# Altium PCB Copy of Board_EP1C6T144I8N.PcbDoc (part 2 of 3) (continued)
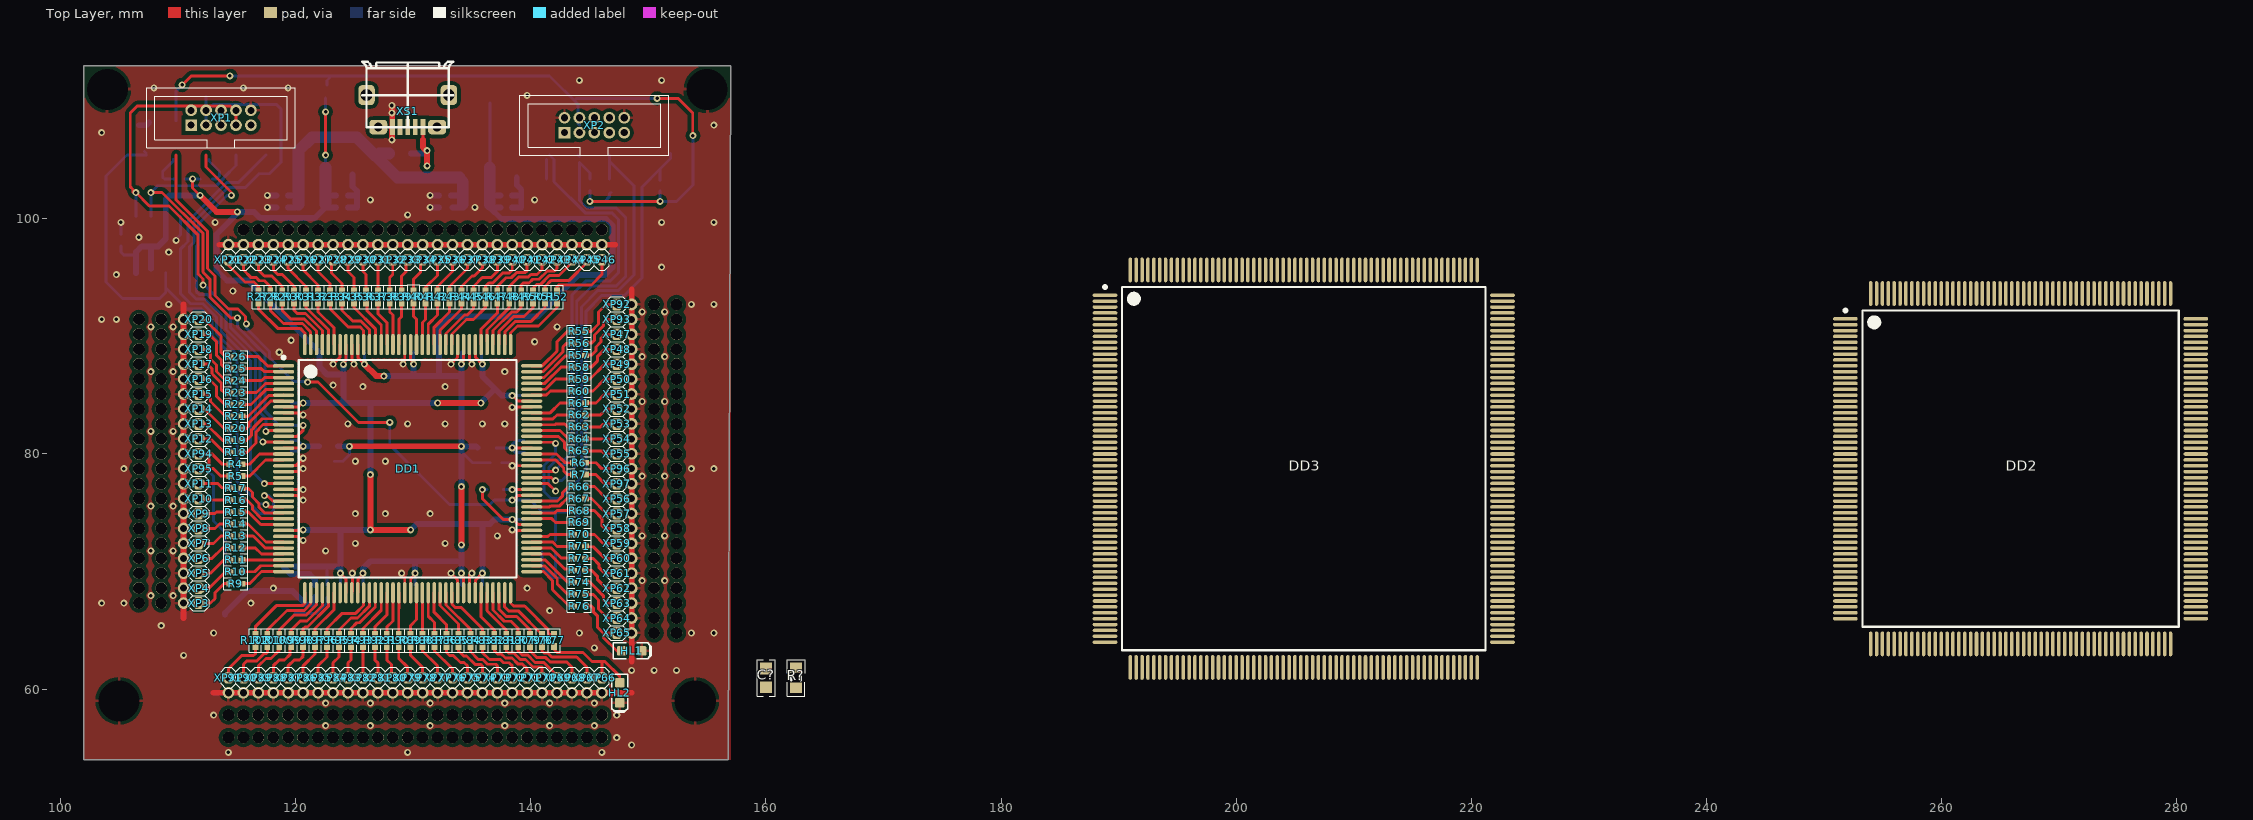
[diagram p0: Top Layer view]
## Nets (pads, with @x,y where several pads share a name; then routed paths per layer and width w, separated by ;. In a path a pad name is that pad's centre, name@x,y a point inside that pad or via, vN(x,y) a via of type N, cw(c..) or ccw(c..) an arc to the next point about the centre after c; other vN are vias at no path point) (continued)
NetDD1_70: DD1.70 R79.1 | length 5.2
  Top Layer w0.25: DD1.70@137.29,68.19 137.3,68.18 137.3,66.789 137.922,66.167 138.811,66.167 139.954,65.024 R79.1@139.954,64.635
NetDD1_71: DD1.71 R78.1 | length 5.4
  Top Layer w0.25: DD1.71@137.79,68.19 137.79,66.99 138.124,66.656 138.949,66.656 R78.1@140.97,64.635
NetDD1_72: DD1.72 R77.1 | length 5.8
  Top Layer w0.25: DD1.72@138.29,68.19 138.29,67.323 138.557,67.056 139.488,67.056 141.495,65.049 141.495,64.753 141.613,64.635 R77.1@141.986,64.635
NetDD1_73: DD1.73 R76.1 | length 5.2
  Top Layer w0.25: DD1.73@140.09,69.99 141.084,69.99 141.859,69.215 141.859,68.453 143.256,67.056 R76.1@143.645,67.056
NetDD1_74: DD1.74 R75.1 | length 4.8
  Top Layer w0.25: DD1.74@140.09,70.49 140.1,70.48 141.171,70.48 142.259,69.392 142.259,68.942 143.129,68.072 R75.1@143.645,68.072
NetDD1_75: DD1.75 R74.1 | length 4.3
  Top Layer w0.25: DD1.75@140.09,70.99 141.227,70.99 143.129,69.088 R74.1@143.645,69.088
NetDD1_76: DD1.76 R73.1 | length 4.1
  Top Layer w0.25: DD1.76@140.09,71.49 141.616,71.49 142.877,70.229 143.52,70.229 R73.1@143.645,70.104
NetDD1_77: DD1.77 R72.1 | length 3.9
  Top Layer w0.25: DD1.77@140.09,71.99 141.751,71.99 142.589,71.152 143.613,71.152 R72.1@143.645,71.12
NetDD1_78: DD1.78 R71.1 | length 3.7
  Top Layer w0.25: DD1.78@140.09,72.49 141.886,72.49 142.24,72.136 R71.1@143.645,72.136
NetDD1_79: DD1.79 R70.1 | length 3.6
  Top Layer w0.25: DD1.79@140.09,72.99 141.478,72.99 141.64,73.152 R70.1@143.645,73.152
NetDD1_82: DD1.82 R69.1 | length 3.7
  Top Layer w0.25: DD1.82@140.09,74.49 141.791,74.49 142.113,74.168 R69.1@143.645,74.168
NetDD1_83: DD1.83 R68.1 | length 3.6
  Top Layer w0.25: DD1.83@140.09,74.99 142.046,74.99 142.24,75.184 R68.1@143.653,75.184
NetDD1_84: DD1.84 R67.1 | length 3.8
  Top Layer w0.25: DD1.84@140.09,75.49 141.614,75.49 141.708,75.584 142.469,75.584 143.085,76.2 R67.1@143.645,76.2
NetDD1_85: DD1.85 R66.1 | length 4.2
  Top Layer w0.25: DD1.85@140.09,75.99 142.284,75.99 142.688,76.394 142.688,76.676 143.196,77.184 143.613,77.184 R66.1@143.645,77.216
NetDD1_87: DD1.87 R53.1 | length 2.5
  Top Layer w0.25: v1(138.43,76.962) 138.448,76.98 140.08,76.98 DD1.87@140.09,76.99
  Bottom Layer w0.25: R53.1@137.668,76.962 138.303,76.962 v1@138.43,77.089
NetDD1_92: DD1.92 R7.2 | length 5.3
  Top Layer w0.25: 141.127,79.48 140.1,79.48 DD1.92@140.09,79.49 142.125,79.49 142.811,78.804 142.811,78.55 143.129,78.232 R7.2@143.645,78.232
NetDD1_93: DD1.93 R6.2 | length 5
  Top Layer w0.25: 141.254,79.98 140.1,79.98 DD1.93@140.09,79.99 141.254,79.99 142.191,79.99 142.933,79.248 R6.2@143.645,79.248
NetDD1_96: DD1.96 R65.1 | length 4.3
  Top Layer w0.25: DD1.96@140.09,81.49 142.369,81.49 142.875,80.984 142.875,80.518 143.097,80.296 143.613,80.296 R65.1@143.645,80.264
NetDD1_97: DD1.97 R64.1 | length 3.8
  Top Layer w0.25: DD1.97@140.09,81.99 142.502,81.99 143.212,81.28 R64.1@143.645,81.28
NetDD1_98: DD1.98 R63.1 | length 3.7
  Top Layer w0.25: DD1.98@140.09,82.49 140.1,82.48 142.056,82.48 142.125,82.55 142.891,82.55 143.145,82.296 R63.1@143.645,82.296
NetDD1_99: DD1.99 R62.1 | length 3.7
  Top Layer w0.25: DD1.99@140.09,82.99 140.1,82.98 141.908,82.98 142.24,83.312 R62.1@143.645,83.312
NetDD1_100: DD1.100 R61.1 | length 3.9
  Top Layer w0.25: DD1.100@140.09,83.49 141.656,83.49 142.494,84.328 R61.1@143.645,84.328
NetDD1_103: DD1.103 R60.1 | length 3.7
  Top Layer w0.25: DD1.103@140.09,84.99 140.1,85 141.33,85 141.674,85.344 R60.1@143.645,85.344
NetDD1_104: DD1.104 R59.1 | length 3.9
  Top Layer w0.25: DD1.104@140.09,85.49 140.1,85.5 141.264,85.5 142.125,86.36 R59.1@143.645,86.36
NetDD1_105: DD1.105 R58.1 | length 4.1
  Top Layer w0.25: DD1.105@140.09,85.99 140.1,86 141.199,86 142.575,87.376 R58.1@143.645,87.376
NetDD1_106: DD1.106 R57.1 | length 4.3
  Top Layer w0.25: DD1.106@140.09,86.49 140.1,86.5 141.133,86.5 142.97,88.337 143.59,88.337 R57.1@143.645,88.392
NetDD1_107: DD1.107 R56.1 | length 4.8
  Top Layer w0.25: DD1.107@140.09,86.99 140.1,87 141.067,87 142.748,88.68 142.748,89.103 143.021,89.376 143.613,89.376 R56.1@143.645,89.408
NetDD1_108: DD1.108 R55.1 | length 5.2
  Top Layer w0.25: DD1.108@140.09,87.49 140.992,87.49 142.24,88.738 142.24,89.535 143.129,90.424 R55.1@143.645,90.424
NetDD1_109: DD1.109 R52.2 | length 6.2
  Top Layer w0.25: DD1.109@138.29,89.29 138.29,90.284 138.881,90.875 140.659,90.875 142.24,92.456 R52.2@142.24,92.837
NetDD1_110: DD1.110 R51.2 | length 5.8
  Top Layer w0.25: DD1.110@137.79,89.29 137.8,89.3 137.8,90.359 138.715,91.275 140.043,91.275 141.224,92.456 R51.2@141.224,92.845
NetDD1_111: DD1.111 R50.2 | length 5.3
  Top Layer w0.25: DD1.111@137.29,89.29 137.3,89.3 137.3,90.425 138.55,91.675 139.427,91.675 140.208,92.456 R50.2@140.208,92.845
NetDD1_112: DD1.112 R49.2 | length 4.8
  Top Layer w0.25: DD1.112@136.79,89.29 136.8,89.3 136.8,90.491 138.384,92.075 138.811,92.075 139.192,92.456 R49.2@139.192,92.845
NetDD1_113: DD1.113 R48.2 | length 4.1
  Top Layer w0.25: DD1.113@136.29,89.554 136.29,90.547 138.176,92.433 R48.2@138.176,92.845
NetDD1_114: DD1.114 R47.2 | length 4.1
  Top Layer w0.25: DD1.114@135.79,89.29 135.79,90.612 137.16,91.982 R47.2@137.16,92.837
NetDD1_119: DD1.119 R46.2 | length 5.1
  Top Layer w0.25: DD1.119@133.29,89.29 133.3,89.3 133.3,90.189 134.532,91.421 135.136,91.421 136.144,92.429 R46.2@136.144,92.837
NetDD1_120: DD1.120 R45.2 | length 4.7
  Top Layer w0.25: DD1.120@132.79,89.29 132.79,90.245 134.366,91.821 134.601,91.821 135.128,92.348 R45.2@135.128,92.845
NetDD1_121: DD1.121 R44.2 | length 4.4
  Top Layer w0.25: DD1.121@132.29,89.29 132.29,90.507 134.112,92.329 R44.2@134.112,92.845 R44.2@134.112,92.964
NetDD1_122: DD1.122 R43.2 | length 4.1
  Top Layer w0.25: DD1.122@131.79,89.29 131.79,90.769 133.096,92.075 R43.2@133.096,92.837
NetDD1_123: DD1.123 R42.2 | length 3.9
  Top Layer w0.25: DD1.123@131.29,89.29 131.29,91.031 132.08,91.821 R42.2@132.08,92.837
NetDD1_124: DD1.124 R41.2 | length 3.8
  Top Layer w0.25: DD1.124@130.79,89.29 130.79,91.166 131.064,91.44 R41.2@131.064,92.845 R41.2@131.064,92.964
NetDD1_125: DD1.125 R40.2 | length 3.6
  Top Layer w0.25: R40.2@130.048,92.837 130.048,91.694 130.29,91.452 DD1.125@130.29,89.29
NetDD1_128: DD1.128 R39.2 | length 3.6
  Top Layer w0.25: DD1.128@128.79,89.29 128.79,91.452 129.032,91.694 R39.2@129.032,92.837
NetDD1_129: DD1.129 R38.2 | length 3.8
  Top Layer w0.25: R38.2@128.143,92.964 128.016,92.837 128.016,92.075 128.29,91.801 DD1.129@128.29,89.29
NetDD1_130: DD1.130 R37.2 | length 4
  Top Layer w0.25: R37.2@127,92.964 R37.2@127,92.845 127,91.948 127.79,91.158 DD1.130@127.79,89.29
NetDD1_131: DD1.131 R36.2 | length 4
  Top Layer w0.25: R36.2@125.984,92.71 126.034,92.71 126.074,92.67 126.074,92.17 127.29,90.954 DD1.131@127.29,89.29
NetDD1_132: DD1.132 R35.2 | length 4.3
  Top Layer w0.25: R35.2@124.968,92.837 124.968,92.456 126.79,90.634 DD1.132@126.79,89.29
NetDD1_133: DD1.133 R34.2 | length 4.9
  Top Layer w0.25: R34.2@123.952,92.845 123.952,92.202 124.841,91.313 125.534,91.313 126.282,90.565 126.282,89.298 DD1.133@126.29,89.29
NetDD1_134: DD1.134 R33.2 | length 5.4
  Top Layer w0.25: R33.2@122.809,92.837 122.968,92.678 122.968,92.297 124.46,90.805 125.476,90.805 125.78,90.501 125.78,89.3 DD1.134@125.79,89.29
NetDD1_139: DD1.139 R32.2 | length 4.1
  Top Layer w0.25: R32.2@121.92,92.845 121.92,92.075 123.29,90.705 DD1.139@123.29,89.29
NetDD1_140: DD1.140 R31.2 | length 4.3
  Top Layer w0.25: R31.2@120.904,92.845 120.904,92.456 122.79,90.57 DD1.140@122.79,89.29
NetDD1_141: DD1.141 R30.2 | length 5
  Top Layer w0.25: R30.2@119.888,92.845 119.888,92.202 120.142,91.948 120.846,91.948 122.29,90.504 DD1.141@122.29,89.29
NetDD1_142: DD1.142 R29.2 | length 5.4
  Top Layer w0.25: R29.2@118.872,92.845 118.872,92.202 119.596,91.478 120.751,91.478 121.78,90.448 121.78,89.3 DD1.142@121.79,89.29
NetDD1_143: DD1.143 R28.2 | length 5.9
  Top Layer w0.25: R28.2@117.856,92.845 117.856,92.202 118.98,91.078 120.585,91.078 121.28,90.383 121.28,89.3 DD1.143@121.29,89.29
NetDD1_144: DD1.144 R27.2 | length 6.3
  Top Layer w0.25: R27.2@116.84,92.845 116.84,92.329 118.491,90.678 120.396,90.678 120.79,90.284 DD1.144@120.79,89.29
NetHL1_A: HL1.A R76.2 XP65.1 | length 6.9
  Top Layer w0.25: R76.2@144.645,67.056 145.161,67.056 145.328,66.889 145.328,66.577 145.669,66.236 145.669,65.278 146.177,64.77 ; XP65.1@147.32,64.77 146.177,64.77 ; HL1.A@147.867,63.246 147.328,63.246 146.177,64.397 146.177,64.77
NetHL2_A: HL2.A R77.2 XP66.1 | length 9.5
  Top Layer w0.25: R77.2@141.986,63.635 141.986,63.361 142.228,63.119 144.457,63.119 145.219,62.357 146.05,62.357 ; 146.05,61.722 XP66.1@146.05,60.96 146.05,62.357 ; HL2.A@147.574,60.54 147.574,61.087 146.304,62.357 146.05,62.357
NetQ1_1: Q1.1 R1.2 | length 3.6
  Bottom Layer w0.25: 119.935,66.421 121.793,66.421 122.682,67.31 R1.2@122.682,67.826
NetQ1_3: Q1.3 R4.1 R5.1 XP94.1 XP95.1 | length 17
  Top Layer w0.25: XP95.1@111.76,78.74 112.649,78.74 ; XP94.1@111.76,80.01 112.649,80.01 ; R5.1@114.435,78.105 113.665,78.105 113.03,78.74 112.649,78.74 ; R4.1@114.435,79.121 113.774,79.121 112.885,80.01 112.649,80.01 ; 112.649,78.74 112.649,80.01
  Bottom Layer w0.25: XP95.1@111.76,78.74 112.395,78.74 113.03,78.105 113.03,74.295 114.046,73.279 114.046,70.405 Q1.3@113.999,70.358
NetR6_1: R6.1 XP96.1 | length 2.9
  Top Layer w0.25: R6.1@144.645,79.248 145.542,79.248 146.05,78.74 XP96.1@147.32,78.74
NetR7_1: R7.1 XP97.1 | length 3
  Top Layer w0.25: R7.1@144.645,78.232 145.542,78.232 146.304,77.47 XP97.1@147.32,77.47
NetR9_1: R9.1 XP3.1 | length 3.7
  Top Layer w0.25: XP3.1@111.76,67.31 112.776,67.31 113.157,67.691 113.157,68.199 113.919,68.961 R9.1@114.435,68.961
NetR10_1: R10.1 XP4.1 | length 3.3
  Top Layer w0.25: XP4.1@111.76,68.58 112.649,68.58 114.046,69.977 R10.1@114.435,69.977
NetR11_1: R11.1 XP5.1 | length 3.1
  Top Layer w0.25: XP5.1@111.76,69.85 112.776,69.85 113.919,70.993 R11.1@114.435,70.993
NetR12_1: R12.1 XP6.1 | length 3
  Top Layer w0.25: XP6.1@111.76,71.12 112.903,71.12 113.792,72.009 R12.1@114.435,72.009
NetR13_1: R13.1 XP7.1 | length 2.9
  Top Layer w0.25: XP7.1@111.76,72.39 113.03,72.39 113.665,73.025 R13.1@114.435,73.025
NetR14_1: R14.1 XP8.1 | length 2.8
  Top Layer w0.25: XP8.1@111.76,73.66 113.157,73.66 113.538,74.041 R14.1@114.435,74.041
NetR15_1: R15.1 XP9.1 | length 2.7
  Top Layer w0.25: XP9.1@111.76,74.93 113.157,74.93 113.284,75.057 R15.1@114.435,75.057
NetR16_1: R16.1 XP10.1 | length 2.7
  Top Layer w0.25: XP10.1@111.76,76.2 111.887,76.073 R16.1@114.435,76.073
NetR17_1: R17.1 XP11.1 | length 2.8
  Top Layer w0.25: XP11.1@111.76,77.47 113.411,77.47 113.76,77.121 114.403,77.121 R17.1@114.435,77.089
NetR18_1: R18.1 XP12.1 | length 3.1
  Top Layer w0.25: XP12.1@111.76,81.28 112.776,81.28 113.919,80.137 R18.1@114.435,80.137
NetR19_1: R19.1 XP13.1 | length 3.3
  Top Layer w0.25: XP13.1@111.76,82.55 112.395,82.55 113.792,81.153 R19.1@114.435,81.153
NetR20_1: R20.1 XP14.1 | length 3.4
  Top Layer w0.25: XP14.1@111.76,83.82 112.268,83.82 113.919,82.169 R20.1@114.435,82.169
NetR21_1: R21.1 XP15.1 | length 3.6
  Top Layer w0.25: XP15.1@111.76,85.09 112.395,85.09 112.776,84.709 112.776,84.455 114.046,83.185 R21.1@114.435,83.185
NetR22_1: R22.1 XP16.1 | length 4.1
  Top Layer w0.25: XP16.1@111.76,86.36 112.649,86.36 113.284,85.725 113.284,84.902 113.985,84.201 R22.1@114.435,84.201
NetR23_1: R23.1 XP17.1 | length 4.3
  Top Layer w0.25: XP17.1@111.76,87.63 112.522,87.63 112.883,87.269 112.883,86.831 113.684,86.029 113.684,85.452 113.919,85.217 R23.1@114.435,85.217
NetR24_1: R24.1 XP18.1 | length 4.5
  Top Layer w0.25: XP18.1@111.76,88.9 112.63,88.9 112.776,88.754 112.776,88.069 113.283,87.562 113.283,86.996 114.046,86.233 R24.1@114.435,86.233
NetR25_1: R25.1 XP19.1 | length 4.8
  Top Layer w0.25: XP19.1@111.76,90.17 112.649,90.17 113.265,89.554 113.265,88.411 113.683,87.993 113.683,87.612 114.046,87.249 R25.1@114.435,87.249
NetR26_1: R26.1 XP20.1 | length 4.8
  Top Layer w0.25: XP20.1@111.76,91.44 112.268,91.44 113.665,90.043 113.665,88.646 114.014,88.297 114.403,88.297 R26.1@114.435,88.265
NetR27_1: R27.1 XP21.1 | length 4.2
  Top Layer w0.25: XP21.1@114.3,96.52 114.3,96.012 115.697,94.615 116.459,94.615 116.84,94.234 R27.1@116.84,93.845
NetR28_1: R28.1 XP22.1 | length 4.1
  Top Layer w0.25: XP22.1@115.57,96.52 115.57,95.631 116.186,95.015 116.63,95.015 116.922,94.723 117.367,94.723 117.856,94.234 R28.1@117.856,93.845
NetR29_1: R29.1 XP23.1 | length 3.9
  Top Layer w0.25: XP23.1@116.84,96.52 116.84,95.631 117.348,95.123 117.983,95.123 118.872,94.234 R29.1@118.872,93.845
NetR30_1: R30.1 XP24.1 | length 3.7
  Top Layer w0.25: XP24.1@118.11,96.52 118.11,95.631 118.491,95.25 118.872,95.25 119.911,94.211 119.911,93.868 R30.1@119.888,93.845
NetR31_1: R31.1 XP25.1 | length 3.3
  Top Layer w0.25: XP25.1@119.38,96.52 119.38,95.758 120.904,94.234 R31.1@120.904,93.845
NetR32_1: R32.1 XP26.1 | length 3.2
  Top Layer w0.25: XP26.1@120.65,96.52 120.65,95.631 121.92,94.361 R32.1@121.92,93.845
NetR33_1: R33.1 XP27.1 | length 3.1
  Top Layer w0.25: XP27.1@121.92,96.52 121.92,95.504 122.936,94.488 R33.1@122.936,93.845
NetR34_1: R34.1 XP28.1 | length 3.1
  Top Layer w0.25: XP28.1@123.19,96.52 123.063,96.393 123.063,95.377 123.952,94.488 R34.1@123.952,93.845
NetR35_1: R35.1 XP29.1 | length 2.9
  Top Layer w0.25: XP29.1@124.46,96.52 124.46,95.504 124.968,94.996 R35.1@124.968,93.845
NetR36_1: R36.1 XP30.1 | length 2.8
  Top Layer w0.25: XP30.1@125.73,96.52 125.73,95.504 125.984,95.25 R36.1@125.984,93.845
NetR37_1: R37.1 XP31.1 | length 2.7
  Top Layer w0.25: R37.1@127,93.845 XP31.1@127,96.52
NetR38_1: R38.1 XP32.1 | length 2.8
  Top Layer w0.25: R38.1@128.016,93.845 128.016,94.996 128.27,95.25 XP32.1@128.27,96.52
NetR39_1: R39.1 XP33.1 | length 2.9
  Top Layer w0.25: R39.1@129.032,93.845 129.032,95.123 129.413,95.504 129.413,96.393 XP33.1@129.54,96.52
NetR40_1: R40.1 XP34.1 | length 3
  Top Layer w0.25: R40.1@130.048,93.853 130.048,94.869 130.612,95.433 130.612,96.322 XP34.1@130.81,96.52
NetR41_1: R41.1 XP35.1 | length 3.1
  Top Layer w0.25: R41.1@131.064,93.845 131.064,94.165 132.08,95.181 XP35.1@132.08,96.52
NetR42_1: R42.1 XP36.1 | length 3.2
  Top Layer w0.25: R42.1@132.08,93.845 132.08,94.234 133.35,95.504 XP36.1@133.35,96.52
NetR43_1: R43.1 XP37.1 | length 3.3
  Top Layer w0.25: R43.1@133.096,93.845 133.096,94.234 134.62,95.758 XP37.1@134.62,96.52
NetR44_1: R44.1 XP38.1 | length 3.5
  Top Layer w0.25: R44.1@134.112,93.845 134.112,94.234 135.001,95.123 135.197,95.123 135.89,95.816 XP38.1@135.89,96.52
NetR45_1: R45.1 XP39.1 | length 4
  Top Layer w0.25: R45.1@135.128,93.845 135.128,94.234 135.89,94.996 136.652,94.996 137.16,95.504 XP39.1@137.16,96.52
NetR46_1: R46.1 XP40.1 | length 4.1
  Top Layer w0.25: R46.1@136.144,93.845 136.144,94.234 136.44,94.53 136.779,94.53 137.626,95.377 138.176,95.377 138.43,95.631 XP40.1@138.43,96.52
NetR47_1: R47.1 XP41.1 | length 4.4
  Top Layer w0.25: R47.1@137.16,93.845 137.16,94.234 137.903,94.977 138.353,94.977 138.811,95.434 139.554,95.434 139.7,95.581 XP41.1@139.7,96.52
NetR48_1: R48.1 XP42.1 | length 4.6
  Top Layer w0.25: R48.1@138.176,93.845 138.176,94.234 138.976,95.034 139.796,95.034 140.012,95.25 140.543,95.25 140.97,95.677 XP42.1@140.97,96.52
NetR49_1: R49.1 XP43.1 | length 4.9
  Top Layer w0.25: R49.1@139.192,93.845 139.192,94.361 139.358,94.527 139.855,94.527 140.177,94.85 140.709,94.85 141.42,95.561 142.043,95.561 142.24,95.758 XP43.1@142.24,96.52
NetR50_1: R50.1 XP44.1 | length 4.7
  Top Layer w0.25: R50.1@140.208,93.845 140.208,94.107 140.528,94.427 140.851,94.427 141.585,95.161 142.401,95.161 143.51,96.27 XP44.1@143.51,96.52
NetR51_1: R51.1 XP45.1 | length 5
  Top Layer w0.25: R51.1@141.224,93.845 141.224,94.234 141.751,94.761 143.271,94.761 144.78,96.27 XP45.1@144.78,96.52
NetR52_1: R52.1 XP46.1 | length 5.9
  Top Layer w0.25: R52.1@142.24,93.845 142.24,94.215 142.386,94.361 145.161,94.361 146.05,95.25 XP46.1@146.05,96.52
NetR55_2: R55.2 XP92.1 | length 4.2
  Top Layer w0.25: R55.2@144.645,90.424 145.161,90.424 145.777,91.04 145.777,92.056 146.431,92.71 XP92.1@147.32,92.71
NetR56_2: R56.2 XP93.1 | length 4
  Top Layer w0.25: R56.2@144.645,89.408 144.681,89.444 145.197,89.444 145.415,89.662 145.415,90.112 146.177,90.874 146.177,91.186 146.431,91.44 XP93.1@147.32,91.44
NetR57_2: R57.2 XP47.1 | length 3.8
  Top Layer w0.25: R57.2@144.645,88.392 145.161,88.392 145.542,88.773 145.542,89.096 145.98,89.534 145.98,89.846 146.304,90.17 XP47.1@147.32,90.17
NetR58_2: R58.2 XP48.1 | length 3.5
  Top Layer w0.25: R58.2@144.645,87.376 144.677,87.408 145.193,87.408 145.669,87.884 145.669,88.265 146.264,88.86 147.28,88.86 XP48.1@147.32,88.9
NetR59_2: R59.2 XP49.1 | length 3.2
  Top Layer w0.25: R59.2@144.645,86.36 145.034,86.36 146.304,87.63 XP49.1@147.32,87.63
NetR60_2: R60.2 XP50.1 | length 3.1
  Top Layer w0.25: R60.2@144.645,85.344 145.288,85.344 146.304,86.36 XP50.1@147.32,86.36
NetR61_2: R61.2 XP51.1 | length 3
  Top Layer w0.25: R61.2@144.645,84.328 145.542,84.328 146.304,85.09 XP51.1@147.32,85.09
NetR62_2: R62.2 XP52.1 | length 2.9
  Top Layer w0.25: R62.2@144.645,83.312 145.923,83.312 146.431,83.82 XP52.1@147.32,83.82
NetR63_2: R63.2 XP53.1 | length 2.8
  Top Layer w0.25: R63.2@144.645,82.296 145.923,82.296 146.177,82.55 XP53.1@147.32,82.55
NetR64_2: R64.2 XP54.1 | length 2.7
  Top Layer w0.25: R64.2@144.645,81.28 XP54.1@147.32,81.28
NetR65_2: R65.2 XP55.1 | length 2.8
  Top Layer w0.25: R65.2@144.645,80.264 146.05,80.264 146.304,80.01 XP55.1@147.32,80.01
NetR66_2: R66.2 XP56.1 | length 3.1
  Top Layer w0.25: R66.2@144.645,77.216 145.415,77.216 146.431,76.2 XP56.1@147.32,76.2
NetR67_2: R67.2 XP57.1 | length 3.2
  Top Layer w0.25: R67.2@144.645,76.2 145.161,76.2 146.431,74.93 XP57.1@147.32,74.93
NetR68_2: R68.2 XP58.1 | length 3.7
  Top Layer w0.25: R68.2@144.653,75.184 145.396,75.184 146.05,74.53 146.05,73.914 146.304,73.66 XP58.1@147.32,73.66
NetR70_2: R70.2 XP59.1 | length 3
  Top Layer w0.25: R70.2@144.645,73.152 145.415,73.152 146.177,72.39 XP59.1@147.32,72.39
NetR71_2: R71.2 XP60.1 | length 3.1
  Top Layer w0.25: R71.2@144.645,72.136 144.677,72.104 145.32,72.104 146.304,71.12 XP60.1@147.32,71.12
NetR72_2: R72.2 XP61.1 | length 3.3
  Top Layer w0.25: R72.2@144.645,71.12 145.288,71.12 145.796,70.612 145.796,70.358 146.304,69.85 XP61.1@147.32,69.85
NetR73_2: R73.2 XP62.1 | length 3.5
  Top Layer w0.25: R73.2@144.645,70.104 145.161,70.104 145.669,69.596 145.669,69.342 146.431,68.58 XP62.1@147.32,68.58
NetR74_2: R74.2 XP63.1 | length 3.6
  Top Layer w0.25: R74.2@144.645,69.088 145.034,69.088 146.177,67.945 146.177,67.583 146.45,67.31 XP63.1@147.32,67.31
NetR75_2: R75.2 XP64.1 | length 4
  Top Layer w0.25: R75.2@144.645,68.072 144.677,68.04 145.32,68.04 145.777,67.583 145.777,66.821 146.558,66.04 XP64.1@147.32,66.04
NetR78_2: R78.2 XP67.1 | length 5.7
  Top Layer w0.25: R78.2@140.97,63.635 140.97,63.246 141.149,63.067 141.449,63.067 141.797,62.719 143.91,62.719 144.78,61.849 XP67.1@144.78,60.96
NetR79_2: R79.2 XP68.1 | length 5.4
  Top Layer w0.25: R79.2@139.954,63.635 139.954,63.246 140.533,62.667 141.283,62.667 141.631,62.319 143.04,62.319 143.51,61.849 XP68.1@143.51,60.96
NetR80_2: R80.2 XP69.1 | length 4.7
  Top Layer w0.25: R80.2@138.938,63.635 138.938,63.246 139.269,62.915 139.719,62.915 140.367,62.268 141.117,62.268 142.24,61.145 XP69.1@142.24,60.96
NetR81_2: R81.2 XP70.1 | length 4.9
  Top Layer w0.25: R81.2@137.922,63.635 137.922,63.246 138.108,63.06 138.558,63.06 139.103,62.515 139.553,62.515 140.201,61.868 140.951,61.868 140.97,61.849 XP70.1@140.97,60.96
NetR82_2: R82.2 XP71.1 | length 4.6
  Top Layer w0.25: R82.2@136.906,63.635 136.906,63.265 137.179,62.992 137.499,62.992 137.849,62.642 138.411,62.642 138.937,62.115 139.307,62.115 139.7,61.722 XP71.1@139.7,60.96
NetR83_2: R83.2 XP72.1 | length 4.5
  Top Layer w0.25: R83.2@135.89,63.635 135.89,63.119 136.499,62.51 137.416,62.51 137.684,62.242 138.164,62.242 138.43,61.976 XP72.1@138.43,60.96
NetR84_2: R84.2 XP73.1 | length 4.3
  Top Layer w0.25: R84.2@134.874,63.635 134.874,63.185 135.556,62.503 135.94,62.503 136.334,62.11 137.026,62.11 137.16,61.976 XP73.1@137.16,60.96
NetR85_2: R85.2 XP74.1 | length 4
  Top Layer w0.25: R85.2@133.858,63.635 133.858,63.246 134.299,62.805 134.553,62.805 135.255,62.103 135.744,62.103 135.89,61.957 XP74.1@135.89,60.96
NetR86_2: R86.2 XP75.1 | length 3.8
  Top Layer w0.25: R86.2@132.842,63.635 132.842,63.119 133.096,62.865 133.419,62.865 134.02,62.265 134.331,62.265 134.62,61.976 XP75.1@134.62,60.96
NetR87_2: R87.2 XP76.1 | length 3.3
  Top Layer w0.25: R87.2@131.826,63.635 131.826,63.246 133.35,61.722 XP76.1@133.35,60.96
NetR88_2: R88.2 XP77.1 | length 3.2
  Top Layer w0.25: R88.2@130.81,63.635 130.81,63.246 132.08,61.976 XP77.1@132.08,60.96
NetR89_2: R89.2 XP78.1 | length 3.1
  Top Layer w0.25: R89.2@129.794,63.635 129.794,62.865 130.81,61.849 XP78.1@130.81,60.96
NetR90_2: R90.2 XP79.1 | length 3
  Top Layer w0.25: R90.2@128.778,63.635 128.778,62.611 129.54,61.849 XP79.1@129.54,60.96
NetR91_2: R91.2 XP80.1 | length 2.9
  Top Layer w0.25: R91.2@127.762,63.635 127.762,62.484 128.161,62.085 128.161,61.069 XP80.1@128.27,60.96
NetR92_2: R92.2 XP81.1 | length 2.8
  Top Layer w0.25: R92.2@126.746,63.635 126.746,62.484 127,62.23 XP81.1@127,60.96
NetR93_2: R93.2 XP82.1 | length 2.7
  Top Layer w0.25: XP82.1@125.73,60.96 R93.2@125.73,63.635
NetR94_2: R94.2 XP83.1 | length 3.8
  Top Layer w0.25: 124.46,61.976 XP83.1@124.46,60.96 124.46,62.23 124.714,62.484 R94.2@124.714,63.635
NetR95_2: R95.2 XP84.1 | length 3.9
  Top Layer w0.25: 123.19,61.976 XP84.1@123.19,60.96 123.19,62.23 123.698,62.738 R95.2@123.698,63.635
NetR96_2: R96.2 XP85.1 | length 4
  Top Layer w0.25: R96.2@122.682,63.635 122.682,62.738 121.92,61.976 ; 121.92,61.976 XP85.1@121.92,60.96 121.92,61.976
NetR97_2: R97.2 XP86.1 | length 3.9
  Top Layer w0.25: 120.65,61.722 XP86.1@120.65,60.96 120.65,61.976 121.666,62.992 R97.2@121.666,63.635
NetR98_2: R98.2 XP87.1 | length 4.4
  Top Layer w0.25: 119.38,61.849 XP87.1@119.38,60.96 119.38,61.976 119.888,62.484 120.338,62.484 120.65,62.796 R98.2@120.65,63.635
NetR99_2: R99.2 XP88.1 | length 4.6
  Top Layer w0.25: R99.2@119.634,63.635 119.544,63.545 119.544,62.96 119.068,62.484 118.618,62.484 118.11,61.976 ; 118.11,61.976 XP88.1@118.11,60.96 118.11,61.976
NetR100_2: R100.2 XP89.1 | length 3.7
  Top Layer w0.25: XP89.1@116.84,60.96 116.84,61.703 116.84,61.957 117.494,62.611 117.925,62.611 118.618,63.304 R100.2@118.618,63.635
NetR101_2: R101.2 XP90.1 | length 4.1
  Top Layer w0.25: XP90.1@115.57,60.96 115.57,62.103 115.843,62.376 116.694,62.376 117.329,63.011 117.494,63.011 117.602,63.119 R101.2@117.602,63.635
NetR102_2: R102.2 XP91.1 | length 4.2
  Top Layer w0.25: XP91.1@114.3,60.96 114.3,61.722 115.423,62.845 116.439,62.845 116.586,62.992 R102.2@116.586,63.635
NetXS1_1: XS1.1 ZL3.1 | length 6
  Top Layer w0.25: 130.84,106.71 XS1.1@130.84,107.79
  Top Layer w0.5: 130.84,106.075 130.84,106.71 ; 130.866,106.041 131.116,105.791 v1(131.191,105.791) v1@131.191,104.521
  Bottom Layer w0.5: ZL3.1@129.832,105.537 v1@131.191,105.537 ; v1(131.191,104.492) v1@131.191,105.537 ; v1@131.191,105.762 v1@131.191,105.537
nReset: DD1.86 R2.1 R69.2 R107.1 VD1.2 XP1.3 | length 62
  Top Layer w0.25: 109.855,105.41 109.855,101.6 112.522,98.933 112.522,95.758 113.157,95.123 113.157,93.472 114.3,92.329 115.113,92.329 115.757,91.685 115.757,91.126 v1(115.824,91.059) ; v1(121.031,86.106) 121.92,86.106 125.349,82.677 v1(128.016,82.677) ; v1(138.43,76.073) 138.525,76.073 138.932,76.48 140.08,76.48 DD1.86@140.09,76.49
  Bottom Layer w0.25: R2.1@109.355,103.378 108.858,103.378 108.712,103.524 108.712,104.013 109.601,104.902 109.601,105.029 ; R2.1@109.609,103.378 R2.1@109.736,103.378 ; v1(115.824,91.059) 115.824,90.678 117.789,88.713 117.789,88.205 119.821,86.173 120.964,86.173 v1(121.031,86.106) ; v1(128.016,82.677) 128.016,80.772 133.096,75.692 136.525,75.692 136.906,76.073 v1(138.43,76.073) 139.954,76.073 140.97,75.057 142.113,75.057 ; R107.1@142.113,72.628 142.113,75.057 ; VD1.2@144.145,73.914 144.145,74.549 143.637,75.057 142.113,75.057
TCK: DD1.88 R54.1 XP2.1 | length 40.6
  Top Layer w0.25: DD1.88@140.09,77.49 140.092,77.488 141.46,77.488 v1(142.113,76.835)
  Bottom Layer w0.25: R54.1@141.351,103.37 141.351,105.029 ; 141.605,105.41 141.98,105.035 141.98,103.148 144.63,100.498 146.898,100.498 147.475,99.921 147.475,95.405 146.755,94.685 144.677,94.685 143.517,93.525 143.517,80.83 143.51,80.823 143.51,80.137 142.875,79.502 142.189,79.502 141.538,78.851 141.538,77.41 v1(142.113,76.835)
TDI: DD1.95 R103.1 XP2.9 | length 43.5
  Top Layer w0.25: DD1.95@140.09,80.99 142.022,80.99 v1(142.113,80.899)
  Bottom Layer w0.25: v1(142.113,80.899) 142.113,79.992 141.138,79.017 141.138,76.794 141.732,76.2 142.494,76.2 144.716,78.422 144.716,92.138 146.063,93.485 147.968,93.485 149.479,94.996 149.479,102.703 151.003,104.227 ; R103.1@151.003,103.243 R103.1@151.003,103.37 151.003,104.013 151.003,104.227 ; 151.892,105.537 151.892,105.116 151.003,104.227
TDO: DD1.90 R105.1 XP2.3 | length 36.8
  Top Layer w0.25: DD1.90@140.09,78.49 v1@141.895,78.49
  Bottom Layer w0.25: v1(142.113,78.613) 142.602,79.102 143.041,79.102 143.917,79.978 143.917,92.99 145.212,94.285 147.282,94.285 148.082,95.085 148.082,100.114 147.298,100.898 145.272,100.898 144.796,100.898 144.145,101.549 144.145,104.775 145.034,103.886 R105.1@145.034,103.378
TMS: DD1.89 R104.1 XP2.5 | length 37
  Top Layer w0.25: DD1.89@140.09,77.99 141.752,77.99 142.113,77.629 v1@142.113,77.597
  Bottom Layer w0.25: v1(142.113,77.724) 142.621,77.724 144.317,79.42 144.317,92.501 145.701,93.885 147.448,93.885 148.772,95.209 148.772,102.815 146.685,104.902 146.685,105.41 R104.1@146.685,103.378 ; 144.018,105.41 144.145,105.283